# KiCad board pcb.kicad_pcb (continued)
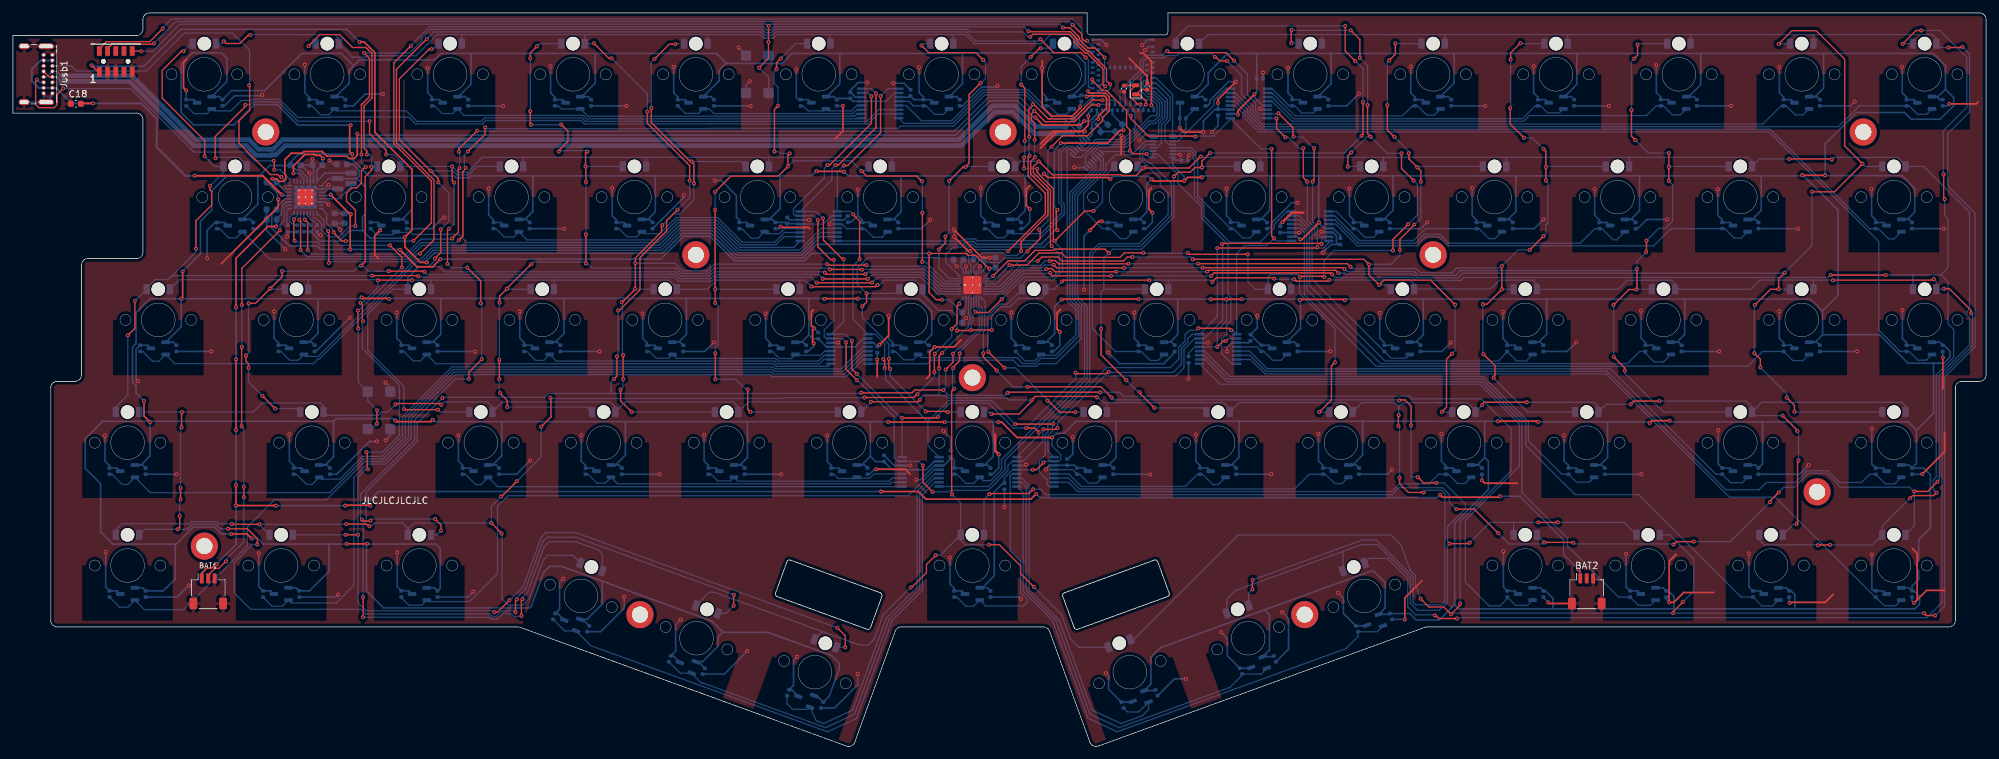
[diagram p0: board, top side]
## Routing (per net, layer and track width the routed paths; a pad name or vN(x,y) marks a point on that pad's centre or on a via; arc(x,y) is an arc through that point) (continued)
VCCS: length 2368.1
  Top w0.2: v1(187.54,62.7) 187.16,62.7 v1(186.22,61.76) ; v1(157.67,42.76) 158.28,42.76 159.36,43.85 v1(159.36,43.87)
  Top w0.25: v1(21.2,50.14) 20.26,51.08 v1(20.26,53.41) ; v1(205.97,68.99) 205.83,69.13 199.1,69.13 v1(199.01,69.04) ; v1(169.7,87.75) 169.47,87.97 160.02,87.97 v1(159.43,88.56) ; v1(183.85,87.99) 181.65,87.99 v1(181.1,87.44) 176.35,87.44 v1(176.08,87.71) ; v1(52.46,91.59) 52.07,91.98 52.07,95.92 v1(52.22,96.08) ; v1(54.81,31.31) 54.79,31.29 v1(51.59,31.29) ; v1(152.36,50.15) 152.87,50.15 155.27,47.75 v1(160.68,47.75) ; v1(135.33,50.17) 135.36,50.14 v1(144.06,50.14) ; v1(124.23,88.96) 124.27,88.92 128.48,88.92 v1(128.52,88.88) ; v1(26.03,69.23) 26.24,69.44 v1(26.24,73.42) ; v1(167.82,97.02) 167.82,97.44 169.1,98.71 169.1,100.26 168.75,100.61 166.15,100.61 v1(166.04,100.5) ; v1(162.15,69.09) 162.23,69.16 v1(174.05,69.16) ; v1(229.59,50.26) 235.74,50.26 v1(235.82,50.18) ; v1(130.68,69.24) 125.51,69.24 v1(125.46,69.19) ; v1(201.95,81.01) 201.95,81 199.33,78.39 v1(199.03,78.39) ; v1(185.21,69.14) v1(187.67,69.14) 189.98,69.14 v1(190.01,69.17) ; v1(192,100.88) 189.4,98.28 v1(189.4,97.7) ; v1(256.16,50.35) 253.44,50.35 v1(253.08,49.98) ; v1(58.16,69.19) 58.09,69.26 54.07,69.26 v1(53.9,69.43) ; v1(64.91,50.49) 64.62,50.2 59.31,50.2 v1(59.13,50.38) ; v1(36.89,32.13) 36.21,32.82 v1(33.73,32.82) ; v1(280.21,88.31) 276.71,88.31 v1(276.67,88.35)
  Bottom w0.2: v1(159.36,43.87) 159.56,44.06 MUXB8.2 161.7,44.06 162,44.36 162,45.12 160.67,46.46 160.67,47.74 v1(160.68,47.75) ; MUXB2.2 126.59,82.06 125.29,80.76 MUXB2.13 ; MUXB7.2 187.91,63.06 v1(187.54,62.7) ; v1(187.67,69.14) 187.67,65.77 186.22,64.32 v1(186.22,61.76) MUXB7.13 182.75,61.76 181.79,60.8 C23.2 ; MUXB1.2 136.31,101.06 135.01,99.76 MUXB1.13 ; v1(157.67,42.76) MUXB8.13 154.58,42.76 153.3,41.48 C24.2
  Bottom w0.25: TMR5.1 107.93,100.49 Cvcc5.1 ; TMR5.1 109.2,102.95 109.2,104.6 110.26,105.67 ; TMR5.1 106.8,100.49 ; 151.52,50.16 152.34,50.16 v1(152.36,50.15) ; 151.52,50.16 151.58,50.11 151.58,44.82 150.25,43.49 TMR51.1 150.68,43.49 Cvcc51.1 ; 151.52,50.16 144.09,50.16 v1(144.06,50.14) ; Cvcc25.1 212.43,81.49 TMR25.1 211.99,81.49 213.41,82.91 213.41,88.23 ; 298.55,59.24 296.97,59.24 296.97,51.49 294.39,48.91 294.33,48.91 ; 298.55,59.24 299.52,60.21 299.52,61.09 298.59,62.02 Cvcc44.1 297.93,62.49 TMR44.1 ; 298.55,59.24 293.04,59.24 288.63,63.65 279.83,63.65 ; Cvcc65.1 150.68,24.49 TMR65.1 149.88,24.49 151.74,26.35 151.74,39.33 153.1,40.69 C24.2 ; v1(26.24,73.42) 28.99,76.17 28.99,81.19 30.75,82.95 30.75,85.9 33.01,88.16 37.69,88.16 37.86,88 ; Cvcc55.1 226.68,43.49 TMR55.1 226.42,43.49 227.58,44.64 ; 49.58,50.26 49.99,50.67 58.83,50.67 v1(59.13,50.38) ; 49.58,50.26 21.2,50.26 ; 49.58,50.26 49.58,44.77 48.3,43.49 TMR46.1 48.55,43.49 Cvcc46.1 ; 104.14,69.26 94.52,69.26 94.4,69.37 93.85,69.37 93.73,69.26 85.21,69.26 ; 104.14,69.26 123.06,69.26 ; 104.14,69.26 104.14,63.71 102.92,62.49 TMR34.1 103.18,62.49 Cvcc34.1 ; 132.58,44.85 133.41,44.02 C9.2 135.96,42.76 MUXB4.13 141.19,42.76 142.49,44.06 MUXB4.2 ; 132.58,44.85 132.58,50.19 132.57,50.2 ; 132.58,44.85 131.22,43.49 TMR50.1 131.68,43.49 Cvcc50.1 ; 80.39,88.23 99.33,88.23 ; 80.39,88.23 70.85,88.23 70.56,87.94 68.49,87.94 68.2,88.23 61.69,88.23 ; 80.39,88.23 80.39,82.71 79.17,81.49 TMR18.1 79.43,81.49 Cvcc18.1 ; 99.33,88.23 99.33,82.65 98.17,81.49 TMR19.1 98.43,81.49 Cvcc19.1 ; 99.33,88.23 118.63,88.23 ; 123.06,69.26 123.08,69.24 123.08,63.64 ; 123.06,69.26 125.39,69.26 v1(125.46,69.19) ; 47.16,69.23 47.16,63.87 45.78,62.49 TMR31.1 46.18,62.49 Cvcc31.1 ; 47.16,69.23 53.7,69.23 v1(53.9,69.43) ; 47.16,69.23 v1(26.03,69.23) ; 132.57,50.2 135.3,50.2 v1(135.33,50.17) ; 132.57,50.2 113.58,50.2 ; 297.48,100.49 297.95,100.02 Cvcc15.1 ; 297.48,100.49 297.67,100.49 298.83,101.64 298.83,105.27 296.94,107.16 279.98,107.16 ; 297.48,100.49 TMR15.1 ; Cvcc14.1 278.93,100.49 TMR14.1 278.67,100.49 279.98,101.8 279.98,107.16 ; Cvcc72.1 293.65,24.75 294.68,25.78 294.68,27.1 294.45,27.32 294.45,28.55 294.68,28.77 294.68,31.94 296.49,33.76 296.49,41.99 295.46,43.02 Cvcc58.1 ; Cvcc72.1 293.96,24.02 294.81,23.16 294.81,21.92 294.13,21.24 275.53,21.24 ; Cvcc72.1 293.18,24.49 TMR72.1 ; 37.86,88 37.86,83.86 TMR16.1 36.68,81.49 Cvcc16.1 ; 37.86,88 39.69,89.83 42.87,89.83 C27.1 ; v1(162.15,69.09) 161.08,68.01 161.08,63.81 159.76,62.49 TMR37.1 160.18,62.49 Cvcc37.1 ; v1(169.7,87.75) 170.12,88.17 175.62,88.17 v1(176.08,87.71) 175.33,86.95 175.33,82.64 174.17,81.49 TMR23.1 174.43,81.49 Cvcc23.1 ; 275.53,21.24 275.53,23.45 274.96,24.02 Cvcc71.1 274.18,24.49 TMR71.1 ; 275.53,21.24 256.84,21.24 ; v1(33.73,32.82) 32.25,32.82 31.18,33.89 27.9,33.89 25.1,31.09 ; Cvcc32.1 65.18,62.49 TMR32.1 64.92,62.49 66.16,63.73 66.16,69.26 ; v1(26.03,69.23) 26.03,64.9 TMR30.1 24.8,62.49 Cvcc30.1 ; v1(26.03,69.23) 21.2,69.23 19.04,67.06 19.04,62.29 18.49,61.74 18.49,56.32 19.04,55.77 19.04,54.63 v1(20.26,53.41) ; 227.58,44.64 228.15,44.07 228.15,39.69 222.93,34.47 222.93,22.6 222.94,22.59 222.94,21.91 222.93,21.9 ; 227.58,44.64 227.58,50.25 227.57,50.26 ; PMIC1.29 45.48,87.97 44.37,89.07 43.87,89.07 43.65,89.3 43.5,89.3 C27.1 ; MUXB5.13 193.23,99.11 192,100.34 v1(192,100.88) 192.32,101.2 C21.2 192.32,107.13 192.35,107.16 ; 279.98,107.16 260.98,107.16 ; 137.32,88.22 129.18,88.22 v1(128.52,88.88) ; 137.32,88.22 137.33,88.21 137.33,82.64 136.17,81.49 TMR21.1 136.43,81.49 Cvcc21.1 ; 137.32,88.22 156.51,88.22 ; 222.84,107.16 222.84,102.59 TMR11.1 221.93,100.49 Cvcc11.1 ; 222.84,107.16 241.76,107.16 ; 222.84,107.16 203.81,107.16 ; 146.83,107.14 146.83,102.49 144.82,100.49 TMR7.1 145.93,100.49 Cvcc7.1 ; 146.83,107.14 146.95,107.26 164.21,107.26 165.83,105.64 165.83,102.57 TMR8.1 164.98,100.49 Cvcc8.1 165.84,100.7 v1(166.04,100.5) ; 146.83,107.14 146.8,107.16 127.86,107.16 ; TMR58.1 293.18,43.49 Cvcc58.1 ; 25.1,31.09 24.93,31.26 15.44,31.26 13.56,33.14 13.56,40.59 11.17,42.97 11.17,47.55 13.89,50.26 21.2,50.26 ; 25.1,31.09 25.1,25.87 23.25,24.02 Cvcc59.1 20.05,24.49 TMR59.1 ; 61.69,88.23 61.7,88.22 61.7,83.01 60.17,81.49 TMR17.1 60.43,81.49 Cvcc17.1 ; 61.69,88.23 55.02,88.23 52.46,90.78 v1(52.46,91.59) 44.16,91.59 42.92,90.35 C27.1 ; Cvcc63.1 105.98,13.05 TMR63.1 106.63,13.05 108.99,15.42 108.99,16.89 109.7,17.6 ; 193.53,21.08 177.45,15.23 177.44,15.23 175.96,13.75 175.96,9.59 TMR66.1 ; 193.53,21.08 194.29,20.32 194.29,14.88 TMR67.1 194.84,13.83 Cvcc67.1 ; 193.53,21.08 206.78,25.9 ; Cvcc47.1 74.68,43.49 TMR47.1 74.17,43.49 75.58,44.9 75.58,50.18 75.56,50.2 ; 156.51,88.22 159.08,88.22 v1(159.43,88.56) ; 156.51,88.22 156.51,82.83 155.17,81.49 TMR22.1 155.43,81.49 Cvcc22.1 ; 201.92,88.23 194.26,88.23 ; 201.92,88.23 213.41,88.23 ; 201.92,88.23 201.91,88.22 201.91,81.05 v1(201.95,81.01) 201.95,80.89 202.73,80.11 MUXB6.13 204.16,80.11 205.27,79 C22.2 ; 194.26,88.23 183.62,88.23 183.62,88.21 v1(183.85,87.99) ; 194.26,88.23 194.33,88.16 194.33,82.87 192.95,81.49 TMR24.1 193.43,81.49 Cvcc24.1 ; 21.2,50.26 v1(21.2,50.14) 21.2,44.89 19.8,43.49 TMR45.1 20.05,43.49 Cvcc45.1 ; 70.82,107.16 90.04,107.16 ; 70.82,107.16 66.17,107.16 65.17,106.16 53.57,106.16 52.67,105.27 ; 70.82,107.16 70.83,107.16 70.83,102.43 68.88,100.49 TMR3.1 69.93,100.49 Cvcc3.1 ; 90.04,107.16 108.77,107.16 110.26,105.67 ; 90.04,107.16 90.04,102.57 87.96,100.49 TMR4.1 88.93,100.49 Cvcc4.1 ; 180.11,69.16 180.11,63.68 178.92,62.49 TMR38.1 179.18,62.49 Cvcc38.1 ; 180.11,69.16 185.18,69.16 v1(185.21,69.14) ; 180.11,69.16 v1(174.05,69.16) ; Cvcc62.1 88.11,19.6 TMR62.1 88.76,19.6 91.13,21.98 91.13,25.51 ; 123.08,63.64 123.69,63.03 C8.2 125.78,61.76 MUXB3.13 130.22,61.76 131.52,63.06 MUXB3.2 ; 123.08,63.64 121.92,62.49 TMR35.1 122.18,62.49 Cvcc35.1 ; 85.21,69.26 66.16,69.26 ; 85.21,69.26 85.21,63.86 83.84,62.49 TMR33.1 84.18,62.49 Cvcc33.1 ; 238.11,21.24 256.84,21.24 ; 238.11,21.24 223.59,21.24 222.93,21.9 ; 238.11,21.24 238.11,22.87 236.96,24.02 Cvcc69.1 236.18,24.49 TMR69.1 ; Cvcc9.1 183.93,100.49 TMR9.1 182.9,100.49 184.83,102.41 184.83,104.17 185.2,104.54 185.2,104.55 186.06,105.41 186.07,105.41 187.82,107.16 192.35,107.16 ; 192.35,107.16 203.81,107.16 ; 118.63,88.23 123.5,88.23 v1(124.23,88.96) ; 118.63,88.23 118.63,83.18 116.94,81.49 TMR20.1 117.43,81.49 Cvcc20.1 119.54,81.02 C7.2 ; 213.41,88.23 232.39,88.23 ; TMR57.1 269.43,43.49 Cvcc57.1 270.54,43.66 270.54,50.16 ; Cvcc26.1 231.43,81.49 TMR26.1 231.17,81.49 232.39,82.71 232.39,88.23 ; 75.56,50.2 65.2,50.2 v1(64.91,50.49) ; 75.56,50.2 94.71,50.2 ; 279.78,67.32 282.19,69.73 282.19,82.94 276.78,88.35 v1(276.67,88.35) 276.55,88.23 270.33,88.23 ; 279.78,67.32 279.83,67.27 279.83,63.64 278.67,62.49 TMR43.1 278.93,62.49 Cvcc43.1 ; 279.78,67.32 277.94,69.16 258.49,69.16 ; 91.13,25.51 84.81,27.81 82.99,27.81 82.05,26.87 80.16,21.67 79.86,21.37 57.32,21.37 54.67,24.02 54.67,31.17 v1(54.81,31.31) 54.86,31.26 65.4,31.26 66.08,30.58 66.08,24.44 Cvcc61.1 65.18,24.49 TMR61.1 ; 91.13,25.51 108.07,19.34 109.7,17.71 109.7,17.6 ; Cvcc2.1 50.93,100.49 TMR2.1 49.92,100.49 52,102.57 52,104.6 52.67,105.27 ; 294.33,48.91 293.08,50.16 270.54,50.16 ; 294.33,48.91 294.33,43.7 Cvcc58.1 ; 52.67,105.27 50.77,107.16 44.66,107.16 38.91,101.42 33.8,101.42 Cvcc1.1 31.93,100.49 TMR1.1 33.08,102.83 33.08,106.4 32.22,107.26 27.72,107.26 26,105.54 26,98.02 27.91,96.12 34.19,96.12 37.34,99.26 40.86,99.26 44.05,96.08 v1(52.22,96.08) ; 260.98,107.16 260.98,102.34 259.13,100.49 TMR13.1 259.93,100.49 Cvcc13.1 ; 260.98,107.16 241.76,107.16 ; TMR66.1 174.95,8.66 ; TMR66.1 176.54,8.58 Cvcc66.1 ; v1(160.68,47.75) 161.35,48.41 162.55,48.41 164.39,50.26 170.51,50.26 ; 189.57,50.26 208.7,50.26 ; 189.57,50.26 189.58,50.25 189.58,44.64 188.42,43.49 TMR53.1 188.68,43.49 Cvcc53.1 ; 189.57,50.26 170.51,50.26 ; 208.7,50.26 227.57,50.26 ; 208.7,50.26 208.7,45.03 207.16,43.49 TMR54.1 207.68,43.49 Cvcc54.1 ; 66.16,69.26 58.24,69.26 v1(58.16,69.19) ; Cvcc27.1 250.43,81.49 TMR27.1 250.17,81.49 251.52,82.84 251.52,88.23 ; 218.04,69.16 237.16,69.16 ; 218.04,69.16 206.14,69.16 v1(205.97,68.99) ; 218.04,69.16 218.08,69.13 218.08,63.64 216.92,62.49 TMR40.1 217.18,62.49 Cvcc40.1 ; 237.16,69.16 237.16,63.73 235.92,62.49 TMR41.1 236.18,62.49 Cvcc41.1 ; 237.16,69.16 258.49,69.16 ; TMR64.1 124.28,7.8 Cvcc64.1 126.22,7.73 126.23,7.73 127.78,12 127.78,12.82 126.6,14.01 116.72,17.6 116.71,17.6 109.7,17.6 ; 203.81,107.16 203.83,107.15 203.83,102.5 201.81,100.49 TMR10.1 202.93,100.49 Cvcc10.1 ; Cvcc52.1 169.68,43.49 TMR52.1 169.42,43.49 170.58,44.64 170.58,50.19 170.51,50.26 ; 94.71,50.2 94.71,45.02 93.18,43.49 TMR48.1 93.68,43.49 Cvcc48.1 ; 94.71,50.2 113.58,50.2 ; 127.86,107.16 120.45,107.16 118.9,105.62 110.32,105.62 110.26,105.67 ; 127.86,107.16 127.86,102.5 125.85,100.49 TMR6.1 126.93,100.49 Cvcc6.1 127.59,100.21 C6.2 129.93,99.76 MUXB1.13 ; 251.52,88.23 232.39,88.23 ; 251.52,88.23 270.33,88.23 ; v1(36.89,32.13) 37.81,32.13 38.68,31.26 48.88,31.26 ; Cvcc39.1 198.18,62.49 TMR39.1 199.1,64.6 199.1,68.95 v1(199.01,69.04) 199.01,69.13 198.97,69.17 v1(190.01,69.17) ; 48.88,31.26 51.56,31.26 v1(51.59,31.29) ; 48.88,31.26 48.88,27.04 45.86,24.02 Cvcc60.1 43.8,24.49 TMR60.1 ; MUXB6.2 198.6,78.81 v1(199.03,78.39) ; 258.49,69.16 258.49,63.68 257.3,62.49 TMR42.1 257.56,62.49 Cvcc42.1 ; 227.57,50.26 v1(229.59,50.26) ; 270.54,50.16 256.34,50.16 v1(256.16,50.35) ; v1(189.4,97.7) 189.3,97.81 MUXB5.2 ; 141.4,62.02 140.93,62.49 TMR36.1 140.9,62.49 142.08,63.67 142.08,67.27 140.11,69.24 v1(130.68,69.24) ; C7.2 121.65,80.85 MUXB2.13 ; C7.2 119.68,80.85 ; v1(253.08,49.98) 253.13,50.03 253.13,50.13 253.09,50.18 246.43,50.18 ; 222.93,21.9 220.53,19.5 217.01,19.5 216,20.51 Cvcc68.1 212.79,20.38 TMR68.1 212.18,21.36 212.18,25.3 210.29,27.18 206.78,25.91 ; Cvcc56.1 245.68,43.49 TMR56.1 245.42,43.49 246.58,44.64 246.58,50.03 246.43,50.18 ; 270.33,88.23 270.33,82.88 268.94,81.49 TMR28.1 269.43,81.49 Cvcc28.1 ; 256.84,21.24 256.84,23.14 255.96,24.02 Cvcc70.1 255.18,24.49 TMR70.1 ; Cvcc12.1 240.93,100.49 TMR12.1 239.92,100.49 241.83,102.39 241.83,107.1 241.76,107.16 ; Cvcc49.1 112.68,43.49 TMR49.1 112.42,43.49 113.58,44.65 113.58,50.2 ; 246.43,50.18 v1(235.82,50.18) ; MUXA1.16 166.86,94.61 C5.2 166.85,95.51 166.85,96.39 167.48,97.02 v1(167.82,97.02) ; v1(181.1,87.44) 181.1,88.14 179.32,89.92 MUXA2.16 179.76,90.64 C20.2 ; Cvcc29.1 293.18,81.49 TMR29.1 292.92,81.49 294.08,82.64 294.08,86.27 292.09,88.26 280.26,88.26 v1(280.21,88.31) 280.21,93.17 285.07,98.03 292.49,98.03 293.53,96.99 297.99,96.99 300.1,99.09 300.1,100.33 298.92,101.51
/AIN0: length 22
  Bottom w0.2: MUXA1.4 166.88,91.18 166.88,91.62 167.94,92.68 172.21,92.68 175.82,96.29 176.59,96.29 177.7,97.41 177.7,99.55 176.41,100.85 175.6,100.85 174.77,101.68 174.75,101.68 174.75,102.69 174.75,102.69 174.75,102.89 174.85,102.99 MDBT1.11
/AIN1: length 24.4
  Bottom w0.2: MDBT1.9 174.85,103.79 174.35,103.28 174.35,101.48 175.38,100.45 176.24,100.45 177.3,99.39 177.3,97.57 176.42,96.69 175.66,96.69 172.04,93.08 167.78,93.08 165.82,91.12 165.82,90.12 MUXA1.7
/AIN2: length 13.2
  Bottom w0.2: MDBT1.20 173.5,98.09 173.5,95.67 171.71,93.88 167.44,93.88 165.72,92.15 165.2,92.15 MUXA1.12
/AIN3: length 22.6
  Bottom w0.2: MUXA1.9 164.14,91.09 165.23,91.09 167.61,93.48 171.87,93.48 175.93,97.54 176.7,97.54 176.9,97.74 176.9,99.22 176.08,100.05 173.06,100.05 172.8,99.79 MDBT1.21
/AIN4: length 10.8
  Bottom w0.2: MDBT1.13 175.35,101.67 175.77,101.25 176.57,101.25 178.1,99.72 178.1,97.24 177.15,96.29 177.15,94.35 176.88,94.08 MUXA2.7 176.28,94.04
/AIN5: length 10.4
  Bottom w0.2: MDBT1.10 176.75,103.39 179.32,100.82 MUXA2.9
/AIN6: length 11.7
  Bottom w0.2: MUXA2.4 176.88,92.58 177.59,93.28 177.59,96.16 178.5,97.08 178.5,99.88 178.5,99.88 178.5,100.03 176.75,101.79 MDBT1.14
/AIN7: length 12
  Bottom w0.2: MDBT1.12 176.75,102.59 178.9,100.43 178.9,96.91 178.14,96.14 178.14,93.7 178.76,93.08 MUXA2.12
/ANA_01: length 114.5
  Bottom w0.2: MUXB1.7 133.76,97.81 132.2,96.25 107.74,96.25 107.74,96.26 88.37,96.26 87.84,96.78 73.13,96.78 72.6,96.25 62.27,96.25 61.21,97.32 49.03,97.32 48.98,97.27 44.03,97.27 41.2,100.09 37,100.09 36.79,99.89 35.32,99.89 33.72,98.29 31.04,98.29 TMR1.2 30.01,97.86 28.61,97.86 28.61,97.85 28.01,97.85 Cvout1.1
/ANA_02: length 94.1
  Bottom w0.2: Cvout2.1 46.2,99.06 47.59,97.67 48.82,97.67 TMR2.2 50.04,98.29 60.81,98.29 62.44,96.65 72.44,96.65 72.97,97.18 88.01,97.18 88.54,96.66 107.91,96.66 107.91,96.65 132.04,96.65 133.84,98.46 MUXB1.6
/ANA_03: length 67.9
  Bottom w0.2: Cvout3.1 65.2,99.06 66.39,97.87 68.02,97.87 TMR3.2 69.74,97.58 88.17,97.58 88.7,97.06 130.4,97.06 130.5,97.16 MUXB1.9
/ANA_04: length 48.5
  Bottom w0.2: Cvout4.1 84.32,99.06 84.79,98.59 TMR4.2 88.87,97.46 130.15,97.46 130.5,97.81 MUXB1.10 131.09,97.66
/ANA_05: length 30
  Bottom w0.2: 131.09,98.31 MUXB1.11 130.5,98.46 129.91,97.87 108.4,97.87 107.68,98.59 TMR5.2 106.05,97.9 103.96,97.9 Cvout5.1
/ANA_06: length 10.4
  Bottom w0.2: Cvout6.1 122.18,99.06 122.96,98.28 125.43,98.28 TMR6.2 126.04,98.29 129.67,98.29 130.5,99.11 MUXB1.12
/ANA_07: length 9
  Bottom w0.2: MUXB1.4 138.52,99.76 139.22,99.06 Cvout7.1 141.2,99.06 142.52,97.74 143.89,97.74 TMR7.2
/ANA_08: length 31.7
  Bottom w0.2: TMR8.2 162.91,97.76 161.49,97.76 160.19,99.06 Cvout8.1 159.49,99.06 157,101.55 149.94,101.55 145.14,96.75 140.49,96.75 138.13,99.11 MUXB1.5
/ANA_09: length 6.3
  Bottom w0.2: MUXA2.10 179.88,94.08 181.38,95.58 Cvout9.1 181.38,97.23 TMR9.2
/ANA_10: length 9.6
  Bottom w0.2: TMR10.2 201.12,97.97 199.29,97.97 198.2,99.06 Cvout10.1 197.35,99.06 194.7,101.71 MUXB5.9
/ANA_11: length 29.9
  Bottom w0.2: MUXB5.10 194.7,101.06 198.25,97.51 214.85,97.51 216.4,99.06 Cvout11.1 217.2,99.06 218.62,97.64 219.79,97.64 TMR11.2
/ANA_12: length 48.7
  Bottom w0.2: TMR12.2 239.14,97.99 237.27,97.99 236.2,99.06 Cvout12.1 235.4,99.06 233.42,97.08 198.03,97.08 194.7,100.41 MUXB5.11
/ANA_13: length 68
  Bottom w0.2: MUXB5.12 194.7,99.76 197.78,96.68 233.59,96.68 234.47,97.56 252.59,97.56 254.09,99.06 Cvout13.1 255.2,99.06 256.59,97.67 257.82,97.67 TMR13.2
/ANA_14: length 94
  Bottom w0.2: TMR14.2 276.82,97.67 275.59,97.67 274.2,99.06 Cvout14.1 273.4,99.06 270.58,96.24 193.12,96.24 191.33,98.02 191.33,98.71 188.97,101.06 MUXB5.7
/ANA_15: length 113
  Bottom w0.2: TMR15.2 295.9,97.75 294.51,97.75 293.2,99.06 Cvout15.1 285.5,99.06 282.28,95.84 192.95,95.84 190.93,97.86 190.93,98.46 188.97,100.41 MUXB5.6
/ANA_16: length 103.8
  Bottom w0.2: MUXB2.5 124.99,80.11 121.64,76.76 112.26,76.76 108.44,80.58 103.01,80.58 99.93,77.5 68.75,77.5 68.75,77.49 63.29,77.49 61.13,75.34 39.74,75.34 TMR16.2 34.54,78.64 33.37,78.64 31.95,80.06 Cvout16.1
/ANA_17: length 71
  Bottom w0.2: MUXB2.9 120.73,77.16 112.43,77.16 108.61,80.98 102.84,80.98 99.78,77.92 70.2,77.92 68.94,79.18 61.8,79.18 61.5,79.47 59.35,79.47 TMR17.2 58.77,79.12 56.24,79.12 Cvout17.1
/ANA_18: length 52.2
  Bottom w0.2: MUXB2.10 119.21,78.81 117.96,77.56 112.59,77.56 108.77,81.38 102.68,81.38 99.62,78.32 79.51,78.32 TMR18.2 77.43,78.78 75.98,78.78 74.7,80.06 Cvout18.1
/ANA_19: length 32.6
  Bottom w0.2: Cvout19.1 93.7,80.06 94.96,78.8 96.45,78.8 TMR19.2 97.54,79.29 100.02,79.29 102.51,81.78 108.94,81.78 112.76,77.96 117.79,77.96 119.3,79.46 MUXB2.11
/ANA_20: length 10.9
  Bottom w0.2: MUXB2.12 119.35,80.11 118.53,79.29 116.54,79.29 TMR20.2 115.23,78.58 114.18,78.58 112.7,80.06 Cvout20.1
/ANA_21: length 9
  Bottom w0.2: MUXB2.4 128.2,80.76 128.9,80.06 Cvout21.1 131.7,80.06 133.02,78.74 134.39,78.74 TMR21.2
/ANA_22: length 28.3
  Bottom w0.2: MUXA1.13 165.15,92.9 164.61,93.44 163.1,93.44 161.73,92.06 161.73,84.13 162.16,83.7 162.16,82.46 158.98,79.29 154.54,79.29 TMR22.2 154.22,79.59 153.29,78.66 152.1,78.66 150.7,80.06 Cvout22.1
/ANA_23: length 27.2
  Bottom w0.2: MUXA2.6 175.07,93.58 172.98,91.49 170.49,91.49 169.02,90.02 169.02,88.99 165.54,85.51 165.54,82.99 168.47,80.06 Cvout23.1 169.7,80.06 171.24,78.52 172.17,78.52 TMR23.2
/ANA_24: length 22.9
  Bottom w0.2: MUXA2.13 182.2,92.58 182.9,91.88 182.9,91.1 183.2,90.8 183.2,85.15 188.3,80.06 Cvout24.1 188.7,80.06 190.13,78.63 191.28,78.63 TMR24.2
/ANA_25: length 9.8
  Bottom w0.2: TMR25.2 210.36,78.71 209.05,78.71 207.7,80.06 Cvout25.1 204.64,82.71 MUXB6.9
/ANA_26: length 30.2
  Bottom w0.2: MUXB6.10 204.36,82.06 208.19,78.23 216.59,78.23 218.42,80.06 Cvout26.1 226.7,80.06 228.24,78.52 229.17,78.52 TMR26.2
/ANA_27: length 50.6
  Bottom w0.2: MUXB6.11 204.44,81.41 208.03,77.83 216.88,77.83 218.25,79.2 220.67,79.2 222.06,77.81 242.34,77.81 244.59,80.06 Cvout27.1 245.7,80.06 247.43,78.33 247.98,78.33 TMR27.2
/ANA_28: length 69.4
  Bottom w0.2: TMR28.2 267.26,78.61 266.15,78.61 264.7,80.06 Cvout28.1 256.35,80.06 253.7,77.41 221.89,77.41 220.5,78.8 218.42,78.8 217.05,77.43 207.86,77.43 204.53,80.76 MUXB6.12
/ANA_29: length 113.3
  Bottom w0.2: TMR29.2 290.87,78.47 290.04,78.47 288.45,80.06 Cvout29.1 287.09,80.06 271.71,95.44 192.79,95.44 190.53,97.69 190.53,98.21 188.97,99.76 MUXB5.5
/ANA_30: length 120.7
  Bottom w0.2: Cvout30.1 20.07,61.06 21.57,59.56 22.58,59.56 TMR30.2 25.02,59.18 46.44,59.18 47.15,59.89 47.38,59.89 62.46,74.97 63.22,74.97 64.95,76.69 69.08,76.69 100.26,76.7 103.31,79.75 108.14,79.75 111.93,75.96 121.97,75.96 124.83,78.81 MUXB2.7
/ANA_31: length 98.6
  Bottom w0.2: MUXB2.6 124.91,79.46 121.81,76.36 112.1,76.36 108.3,80.15 103.15,80.15 100.09,77.1 68.91,77.1 64.78,77.09 63.05,75.37 62.29,75.37 47.21,60.29 45.29,60.29 TMR31.2 44.1,59.7 42.81,59.7 41.45,61.06 Cvout31.1
/ANA_32: length 68.4
  Bottom w0.2: MUXB3.9 126.09,58.77 118.04,58.77 117.65,59.16 65.41,59.16 TMR32.2 63.01,59.61 61.9,59.61 60.45,61.06 Cvout32.1
/ANA_33: length 49.2
  Bottom w0.2: MUXB3.10 125.35,59.81 124.71,59.17 118.21,59.17 117.8,59.57 84,59.57 TMR33.2 82.07,59.67 80.84,59.67 79.45,61.06 Cvout33.1
/ANA_34: length 29.9
  Bottom w0.2: MUXB3.11 125.44,60.46 124.54,59.57 118.37,59.57 117.96,59.98 102.6,59.98 TMR34.2 101.41,60.01 99.5,60.01 98.45,61.06 Cvout34.1
/ANA_35: length 10.5
  Bottom w0.2: MUXB3.12 125.52,61.11 124.89,60.47 121.1,60.47 TMR35.2 120.37,59.97 118.54,59.97 117.45,61.06 Cvout35.1
/ANA_36: length 60.8
  Bottom w0.2: MUXA1.6 166.97,89.68 166.97,89.2 163.43,85.67 163.43,69.02 164.78,67.68 164.78,63.43 161.33,59.98 158.94,59.98 158.15,59.19 156.13,59.19 155.21,60.11 140.47,60.11 TMR36.2 139.17,59.77 137.74,59.77 136.45,61.06 Cvout36.1
/ANA_37: length 42.2
  Bottom w0.2: MUXA1.10 164.09,91.84 163.55,92.38 163.17,92.38 163.01,92.21 163.01,91.92 162.99,91.91 162.99,91.6 163.01,91.58 163.01,68.88 164.38,67.51 164.38,63.62 161.23,60.47 159.1,60.47 TMR37.2 158.98,60.59 158,59.61 156.5,59.61 Cvout37.1
/ANA_38: length 53.5
  Bottom w0.2: MUXA2.3 175.76,92.08 175.55,92.29 175.03,92.29 174.67,91.93 174.67,91.1 175.48,90.29 175.86,90.29 179.13,87.02 179.13,82.12 174.35,77.34 168.11,77.34 166.91,76.14 166.91,64.61 170.46,61.06 Cvout38.1 174.45,61.06 175.84,59.67 177.07,59.67 TMR38.2
/ANA_39: length 9
  Bottom w0.2: TMR39.2 196.09,59.69 194.82,59.69 193.45,61.06 Cvout39.1 192.34,61.76 MUXB7.4
/ANA_40: length 32.2
  Bottom w0.2: TMR40.2 215.42,60.02 215.02,60.02 215.01,60.01 213.1,60.01 Cvout40.1 200.88,72.23 200.88,80.03 198.85,82.06 MUXB6.7
/ANA_41: length 53.1
  Bottom w0.2: MUXB6.6 198.94,81.41 200.48,79.87 200.48,71.27 212.17,59.59 229.66,59.59 231.05,60.98 Cvout41.1 232.44,59.67 232.44,59.59 233.99,59.59 TMR41.2
/ANA_42: length 75
  Bottom w0.2: TMR42.2 255.27,59.5 255.26,59.5 255.2,59.44 253.8,59.44 252.42,60.81 Cvout42.1 251.53,61.06 249.66,59.19 211.47,59.19 200.08,70.58 200.08,79.7 199.02,80.76 MUXB6.5
/ANA_43: length 96.4
  Bottom w0.2: TMR43.2 276.8,59.65 275.23,59.65 273.82,61.06 Cvout43.1 270.53,61.06 268.26,58.79 210.74,58.79 199.68,69.85 199.68,79.53 199.1,80.11 MUXB6.4
/ANA_44: length 133.5
  Bottom w0.2: TMR44.2 295.87,59.72 294.54,59.72 293.2,61.06 Cvout44.1 291.82,61.06 288.52,64.36 288.52,78.06 271.55,95.03 271.06,95.03 271.05,95.04 192.62,95.04 190.13,97.53 190.13,97.96 188.97,99.11 MUXB5.4
/ANA_45: length 130.5
  Bottom w0.2: Cvout45.1 15.32,42.06 16.89,40.49 17.76,40.49 TMR45.2 21.24,39.21 49,39.21 54.22,44.43 57.28,44.43 60.65,47.8 60.65,50.85 68.06,58.27 117.41,58.27 117.71,57.97 128.33,57.97 131.48,61.11 MUXB3.5
/ANA_46: length 100.5
  Bottom w0.2: MUXB3.4 131.48,61.76 128.08,58.37 117.88,58.37 117.58,58.67 67.9,58.67 60.23,51 60.23,47.98 57.08,44.83 54.06,44.83 50.52,41.29 47.66,41.29 TMR46.2 46.27,40.5 45.38,40.5 43.83,42.06 Cvout46.1
/ANA_47: length 69.7
  Bottom w0.2: MUXB4.9 136.75,40.16 136.73,40.14 74.94,40.14 TMR47.2 72.36,40.46 71.55,40.46 69.95,42.06 Cvout47.1
/ANA_48: length 50.4
  Bottom w0.2: MUXB4.10 135.86,40.81 135.63,40.58 93.49,40.58 TMR48.2 92.49,41.56 91.61,40.69 90.32,40.69 88.95,42.06 Cvout48.1
/ANA_49: length 31.1
  Bottom w0.2: MUXB4.11 135.94,41.46 135.47,40.98 112.09,40.98 TMR49.2 111.49,41.56 110.94,41.02 108.99,41.02 107.95,42.06 Cvout49.1
/ANA_50: length 11.6
  Bottom w0.2: MUXB4.12 133.14,42.11 132.51,41.47 130.6,41.47 TMR50.2 130.49,41.56 130.32,41.4 127.61,41.4 126.95,42.06 Cvout50.1
/ANA_51: length 65.4
  Bottom w0.2: Cvout51.1 145.95,42.06 147.37,40.64 148.54,40.64 TMR51.2 150.01,41.07 151.19,41.07 152.86,42.74 152.86,44.3 165.69,57.13 165.69,67.89 164.23,69.35 164.23,85.33 168.22,89.32 168.22,90.56 167.65,91.14 MUXA1.3
/ANA_52: length 8.8
  Bottom w0.2: TMR52.2 167.59,40.69 166.32,40.69 164.95,42.06 Cvout52.1 163.84,42.76 MUXB8.4
/ANA_53: length 29.2
  Bottom w0.2: MUXB8.5 163.25,42.11 165.19,40.18 181.27,40.18 183.15,42.06 Cvout53.1 183.95,42.06 185.54,40.47 186.37,40.47 TMR53.2
/ANA_54: length 48.2
  Bottom w0.2: MUXB8.6 163.25,41.46 164.93,39.78 198.17,39.78 200.45,42.06 Cvout54.1 202.95,42.06 204.39,40.62 205.52,40.62 TMR54.2
/ANA_55: length 67.2
  Bottom w0.2: TMR55.2 224.53,40.63 223.38,40.63 221.95,42.06 Cvout55.1 220.44,42.06 218.96,40.58 214.37,40.58 213.17,39.38 164.65,39.38 163.22,40.81 MUXB8.7
/ANA_56: length 71.5
  Bottom w0.2: MUXB7.12 184.22,61.11 188.15,57.19 227.32,57.19 234.33,50.17 234.33,47.23 239.5,42.06 Cvout56.1 241.78,40.83 243.74,40.83 243.96,41.05 243.96,41.06 TMR56.2
/ANA_57: length 87.8
  Bottom w0.2: MUXB7.5 191.21,61.11 193.93,58.39 247,58.39 263.33,42.06 Cvout57.1 265.6,40.76 267.41,40.76 TMR57.2
/ANA_58: length 115
  Bottom w0.2: MUXB7.6 191.29,60.46 193.77,57.99 246.52,57.99 252.29,52.22 252.29,52.16 252.54,51.91 252.6,51.91 264.85,39.66 269.99,39.66 271.12,40.79 275.6,40.79 277.42,42.61 280.6,42.61 282.42,40.79 285.84,40.79 287.11,42.06 Cvout58.1 289.53,40.58 290.98,40.58 TMR58.2
/ANA_59: length 139.1
  Bottom w0.2: MUXB3.6 131.48,60.46 128.58,57.57 117.54,57.57 117.24,57.87 68.23,57.87 61.17,50.8 61.17,47.75 57.45,44.03 54.39,44.03 48.45,38.09 40.42,38.09 36.24,33.91 36.24,30.97 26.38,21.11 20.34,21.11 TMR59.2 17.76,21.49 16.49,21.49 Cvout59.1
/ANA_60: length 122.1
  Bottom w0.2: MUXB3.7 131.48,59.81 128.83,57.16 117.71,57.16 117.38,57.16 117.08,57.46 68.4,57.46 61.57,50.63 61.57,47.58 57.61,43.63 54.8,43.63 52.71,41.54 52.71,24.87 50,22.16 43.04,22.16 TMR60.2 41.66,21.64 40.06,21.64 38.67,23.02 Cvout60.1
/ANA_61: length 98.7
  Bottom w0.2: MUXB4.4 142.48,42.76 138.45,38.74 76.54,38.74 74.93,37.13 74.93,26.69 70.59,22.35 64.22,22.35 TMR61.2 63.2,21.8 61.21,21.8 60.05,22.96 Cvout61.1